# Altium PCB RabbitMask.PcbDoc (part 4 of 5)
Units mm, origin at the board's own origin, x right, y up, seen from the top; angles counter-clockwise.
Board outline 372.49 x 232.54 mm, 2 copper layers (Top Layer, Bottom Layer); 598 components, 1202 nets, 3588 pads, 0 vias.
Unrouted connection lines stored in the file: 1647.

## Components (designator, comment, footprint, x,y, rotation, side; value= is the part's Value field where it differs from the comment) (continued)
U1_149 "HD107s 2020" LED_HD107s-2020#1 367.183,1305.894 r0 top (schematic designator U1)
U1_150 "HD107s 2020" LED_HD107s-2020#1 367.183,1313.894 r0 top (schematic designator U1)
U1_151 "HD107s 2020" LED_HD107s-2020#1 367.183,1321.894 r0 top (schematic designator U1)
U1_152 "HD107s 2020" LED_HD107s-2020#1 367.183,1329.894 r0 top (schematic designator U1)
U1_153 "HD107s 2020" LED_HD107s-2020#1 367.183,1341.894 r0 top (schematic designator U1)
U1_154 "HD107s 2020" LED_HD107s-2020#1 367.183,1349.894 r0 top (schematic designator U1)
U1_155 "HD107s 2020" LED_HD107s-2020#1 367.183,1357.894 r0 top (schematic designator U1)
U1_156 "HD107s 2020" LED_HD107s-2020#1 367.183,1369.894 r0 top (schematic designator U1)
U1_157 "HD107s 2020" LED_HD107s-2020#1 367.183,1377.894 r0 top (schematic designator U1)
U1_158 "HD107s 2020" LED_HD107s-2020#1 367.183,1385.894 r0 top (schematic designator U1)
U1_159 "HD107s 2020" LED_HD107s-2020#1 367.183,1397.894 r0 top (schematic designator U1)
U1_160 "HD107s 2020" LED_HD107s-2020#1 367.183,1405.894 r0 top (schematic designator U1)
U1_161 "HD107s 2020" LED_HD107s-2020#1 367.183,1413.894 r0 top (schematic designator U1)
U1_162 "HD107s 2020" LED_HD107s-2020#1 367.183,1425.894 r0 top (schematic designator U1)
U1_163 "HD107s 2020" LED_HD107s-2020#1 367.183,1433.894 r0 top (schematic designator U1)
U1_164 "HD107s 2020" LED_HD107s-2020#1 367.183,1441.894 r0 top (schematic designator U1)
U1_165 "HD107s 2020" LED_HD107s-2020#1 367.183,1453.894 r0 top (schematic designator U1)
U1_166 "HD107s 2020" LED_HD107s-2020#1 367.183,1461.894 r0 top (schematic designator U1)
U1_167 "HD107s 2020" LED_HD107s-2020#1 367.183,1469.894 r0 top (schematic designator U1)
U1_168 "HD107s 2020" LED_HD107s-2020#1 367.183,1481.894 r0 top (schematic designator U1)
U1_169 "HD107s 2020" LED_HD107s-2020#1 367.183,1489.894 r0 top (schematic designator U1)
U1_170 "HD107s 2020" LED_HD107s-2020#1 367.183,1497.894 r0 top (schematic designator U1)
U1_171 "HD107s 2020" LED_HD107s-2020#1 367.183,1509.894 r0 top (schematic designator U1)
U1_172 "HD107s 2020" LED_HD107s-2020#1 367.183,1517.894 r0 top (schematic designator U1)
U1_173 "HD107s 2020" LED_HD107s-2020#1 367.183,1525.894 r0 top (schematic designator U1)
U1_174 "HD107s 2020" LED_HD107s-2020#1 367.183,1533.894 r0 top (schematic designator U1)
U1_175 "HD107s 2020" LED_HD107s-2020#1 367.183,1545.894 r0 top (schematic designator U1)
U1_176 "HD107s 2020" LED_HD107s-2020#1 367.183,1553.894 r0 top (schematic designator U1)
U1_177 "HD107s 2020" LED_HD107s-2020#1 367.183,1561.894 r0 top (schematic designator U1)
U1_178 "HD107s 2020" LED_HD107s-2020#1 367.183,1573.894 r0 top (schematic designator U1)
U1_179 "HD107s 2020" LED_HD107s-2020#1 367.183,1581.894 r0 top (schematic designator U1)
U1_180 "HD107s 2020" LED_HD107s-2020#1 367.183,1589.894 r0 top (schematic designator U1)
U1_181 "HD107s 2020" LED_HD107s-2020#1 367.183,1601.894 r0 top (schematic designator U1)
U1_182 "HD107s 2020" LED_HD107s-2020#1 367.183,1609.894 r0 top (schematic designator U1)
U1_183 "HD107s 2020" LED_HD107s-2020#1 367.183,1617.894 r0 top (schematic designator U1)
U1_184 "HD107s 2020" LED_HD107s-2020#1 367.183,1629.894 r0 top (schematic designator U1)
U1_185 "HD107s 2020" LED_HD107s-2020#1 367.183,1637.894 r0 top (schematic designator U1)
U1_186 "HD107s 2020" LED_HD107s-2020#1 367.183,1645.894 r0 top (schematic designator U1)
U1_187 "HD107s 2020" LED_HD107s-2020#1 367.183,1657.894 r0 top (schematic designator U1)
U1_188 "HD107s 2020" LED_HD107s-2020#1 367.183,1665.894 r0 top (schematic designator U1)
U1_189 "HD107s 2020" LED_HD107s-2020#1 367.183,1673.894 r0 top (schematic designator U1)
U1_190 "HD107s 2020" LED_HD107s-2020#1 367.183,1685.894 r0 top (schematic designator U1)
U1_191 "HD107s 2020" LED_HD107s-2020#1 367.183,1693.894 r0 top (schematic designator U1)
U1_192 "HD107s 2020" LED_HD107s-2020#1 367.183,1701.894 r0 top (schematic designator U1)
U1_193 "HD107s 2020" LED_HD107s-2020#1 367.183,1713.894 r0 top (schematic designator U1)
U1_194 "HD107s 2020" LED_HD107s-2020#1 367.183,1721.894 r0 top (schematic designator U1)
U1_195 "HD107s 2020" LED_HD107s-2020#1 367.183,1729.894 r0 top (schematic designator U1)
U1_196 "HD107s 2020" LED_HD107s-2020#1 367.183,1737.894 r0 top (schematic designator U1)
U1_197 "HD107s 2020" LED_HD107s-2020#1 367.183,1749.894 r0 top (schematic designator U1)
U1_198 "HD107s 2020" LED_HD107s-2020#1 367.183,1757.894 r0 top (schematic designator U1)
U1_199 "HD107s 2020" LED_HD107s-2020#1 367.183,1765.894 r0 top (schematic designator U1)
U1_200 "HD107s 2020" LED_HD107s-2020#1 367.183,1777.894 r90 top (schematic designator U1)
U1_201 "HD107s 2020" LED_HD107s-2020#1 367.183,1785.894 r0 top (schematic designator U1)
U1_202 "HD107s 2020" LED_HD107s-2020#1 367.183,1793.894 r90 top (schematic designator U1)
U1_203 "HD107s 2020" LED_HD107s-2020#1 367.183,1805.894 r90 top (schematic designator U1)
U1_204 "HD107s 2020" LED_HD107s-2020#1 367.183,1813.894 r90 top (schematic designator U1)
U1_205 "HD107s 2020" LED_HD107s-2020#1 367.183,1821.894 r90 top (schematic designator U1)
U1_206 "HD107s 2020" LED_HD107s-2020#1 367.183,1833.894 r90 top (schematic designator U1)
U1_207 "HD107s 2020" LED_HD107s-2020#1 367.183,1841.894 r90 top (schematic designator U1)
U1_208 "HD107s 2020" LED_HD107s-2020#1 367.183,1849.894 r90 top (schematic designator U1)
U1_209 "HD107s 2020" LED_HD107s-2020#1 367.183,1861.894 r90 top (schematic designator U1)
U1_210 "HD107s 2020" LED_HD107s-2020#1 367.183,1869.894 r0 top (schematic designator U1)
U1_211 "HD107s 2020" LED_HD107s-2020#1 367.183,1877.894 r0 top (schematic designator U1)
U1_212 "HD107s 2020" LED_HD107s-2020#1 367.183,1889.894 r0 top (schematic designator U1)
U1_213 "HD107s 2020" LED_HD107s-2020#1 367.183,1897.894 r0 top (schematic designator U1)
U1_214 "HD107s 2020" LED_HD107s-2020#1 367.183,1905.894 r0 top (schematic designator U1)
U1_215 "HD107s 2020" LED_HD107s-2020#1 367.183,1913.894 r0 top (schematic designator U1)
U1_216 "HD107s 2020" LED_HD107s-2020#1 367.183,1925.894 r0 top (schematic designator U1)
U1_217 "HD107s 2020" LED_HD107s-2020#1 367.183,1933.894 r0 top (schematic designator U1)
U1_218 "HD107s 2020" LED_HD107s-2020#1 367.183,1941.894 r0 top (schematic designator U1)
U1_219 "HD107s 2020" LED_HD107s-2020#1 367.183,1953.894 r0 top (schematic designator U1)
U1_220 "HD107s 2020" LED_HD107s-2020#1 367.183,1961.894 r90 top (schematic designator U1)
U1_221 "HD107s 2020" LED_HD107s-2020#1 367.183,1969.894 r0 top (schematic designator U1)
U1_222 "HD107s 2020" LED_HD107s-2020#1 367.183,1981.894 r90 top (schematic designator U1)
U1_223 "HD107s 2020" LED_HD107s-2020#1 367.183,1989.894 r90 top (schematic designator U1)
U1_224 "HD107s 2020" LED_HD107s-2020#1 367.183,1997.894 r90 top (schematic designator U1)
U1_225 "HD107s 2020" LED_HD107s-2020#1 367.183,2009.894 r90 top (schematic designator U1)
U1_226 "HD107s 2020" LED_HD107s-2020#1 367.183,2017.894 r90 top (schematic designator U1)
U1_227 "HD107s 2020" LED_HD107s-2020#1 367.183,2025.894 r90 top (schematic designator U1)
U1_228 "HD107s 2020" LED_HD107s-2020#1 367.183,2037.894 r90 top (schematic designator U1)
U1_229 "HD107s 2020" LED_HD107s-2020#1 367.183,2045.894 r90 top (schematic designator U1)
U1_230 "HD107s 2020" LED_HD107s-2020#1 367.183,2053.894 r90 top (schematic designator U1)
U1_231 "HD107s 2020" LED_HD107s-2020#1 367.183,2065.894 r0 top (schematic designator U1)
U1_232 "HD107s 2020" LED_HD107s-2020#1 367.183,2073.894 r90 top (schematic designator U1)
U1_233 "HD107s 2020" LED_HD107s-2020#1 367.183,2081.894 r90 top (schematic designator U1)
U1_234 "HD107s 2020" LED_HD107s-2020#1 367.183,2093.894 r90 top (schematic designator U1)
U1_235 "HD107s 2020" LED_HD107s-2020#1 367.183,2101.894 r90 top (schematic designator U1)
U1_236 "HD107s 2020" LED_HD107s-2020#1 367.183,2109.894 r90 top (schematic designator U1)
U1_237 "HD107s 2020" LED_HD107s-2020#1 367.183,2117.894 r90 top (schematic designator U1)
U1_238 "HD107s 2020" LED_HD107s-2020#1 367.183,2129.894 r90 top (schematic designator U1)
U1_239 "HD107s 2020" LED_HD107s-2020#1 367.183,2137.894 r90 top (schematic designator U1)
U1_240 "HD107s 2020" LED_HD107s-2020#1 367.183,2145.894 r90 top (schematic designator U1)
U1_241 "HD107s 2020" LED_HD107s-2020#1 367.183,2157.894 r0 top (schematic designator U1)
U1_242 "HD107s 2020" LED_HD107s-2020#1 367.183,2165.894 r90 top (schematic designator U1)
U1_243 "HD107s 2020" LED_HD107s-2020#1 367.183,2173.894 r90 top (schematic designator U1)
U1_244 "HD107s 2020" LED_HD107s-2020#1 367.183,2185.894 r90 top (schematic designator U1)
U1_245 "HD107s 2020" LED_HD107s-2020#1 367.183,2193.894 r90 top (schematic designator U1)
U1_246 "HD107s 2020" LED_HD107s-2020#1 367.183,2201.894 r90 top (schematic designator U1)
U1_247 "HD107s 2020" LED_HD107s-2020#1 367.183,2213.894 r90 top (schematic designator U1)
U1_248 "HD107s 2020" LED_HD107s-2020#1 367.183,2221.894 r90 top (schematic designator U1)
U1_249 "HD107s 2020" LED_HD107s-2020#1 367.183,2229.894 r90 top (schematic designator U1)
U1_250 "HD107s 2020" LED_HD107s-2020#1 367.183,2241.894 r90 top (schematic designator U1)
U1_251 "HD107s 2020" LED_HD107s-2020#1 367.183,2249.894 r0 top (schematic designator U1)
U1_252 "HD107s 2020" LED_HD107s-2020#1 367.183,2257.894 r90 top (schematic designator U1)
U1_253 "HD107s 2020" LED_HD107s-2020#1 367.183,2269.894 r90 top (schematic designator U1)
U1_254 "HD107s 2020" LED_HD107s-2020#1 367.183,2277.894 r90 top (schematic designator U1)
U1_255 "HD107s 2020" LED_HD107s-2020#1 367.183,2285.894 r90 top (schematic designator U1)
U1_256 "HD107s 2020" LED_HD107s-2020#1 367.183,2297.894 r90 top (schematic designator U1)
U1_257 "HD107s 2020" LED_HD107s-2020#1 367.183,2305.894 r90 top (schematic designator U1)
U1_258 "HD107s 2020" LED_HD107s-2020#1 367.183,2313.894 r90 top (schematic designator U1)
U1_259 "HD107s 2020" LED_HD107s-2020#1 367.183,2321.894 r90 top (schematic designator U1)
U1_260 "HD107s 2020" LED_HD107s-2020#1 367.183,2333.894 r90 top (schematic designator U1)
U1_261 "HD107s 2020" LED_HD107s-2020#1 367.183,2341.869 r0 top (schematic designator U1)
U1_262 "HD107s 2020" LED_HD107s-2020#1 367.183,2341.869 r90 top (schematic designator U1)
U1_263 "HD107s 2020" LED_HD107s-2020#1 367.183,2341.869 r90 top (schematic designator U1)
U1_264 "HD107s 2020" LED_HD107s-2020#1 367.183,2341.869 r90 top (schematic designator U1)
U1_265 "HD107s 2020" LED_HD107s-2020#1 367.183,2341.869 r90 top (schematic designator U1)
U1_266 "HD107s 2020" LED_HD107s-2020#1 367.183,2341.869 r90 top (schematic designator U1)
U1_267 "HD107s 2020" LED_HD107s-2020#1 367.183,2341.869 r90 top (schematic designator U1)
U1_268 "HD107s 2020" LED_HD107s-2020#1 367.183,2341.869 r90 top (schematic designator U1)
U1_269 "HD107s 2020" LED_HD107s-2020#1 367.183,2341.869 r90 top (schematic designator U1)
U1_270 "HD107s 2020" LED_HD107s-2020#1 367.183,2341.869 r90 top (schematic designator U1)
U1_271 "HD107s 2020" LED_HD107s-2020#1 367.183,2341.869 r0 top (schematic designator U1)
U1_272 "HD107s 2020" LED_HD107s-2020#1 367.183,2341.869 r90 top (schematic designator U1)
U1_273 "HD107s 2020" LED_HD107s-2020#1 367.183,2341.869 r90 top (schematic designator U1)
U1_274 "HD107s 2020" LED_HD107s-2020#1 367.183,2341.869 r90 top (schematic designator U1)
U1_275 "HD107s 2020" LED_HD107s-2020#1 367.183,2341.869 r90 top (schematic designator U1)
U1_276 "HD107s 2020" LED_HD107s-2020#1 367.183,2341.869 r90 top (schematic designator U1)
U1_277 "HD107s 2020" LED_HD107s-2020#1 367.183,2341.869 r90 top (schematic designator U1)
U1_278 "HD107s 2020" LED_HD107s-2020#1 367.183,2341.869 r90 top (schematic designator U1)
U1_279 "HD107s 2020" LED_HD107s-2020#1 367.183,2341.869 r90 top (schematic designator U1)
U1_280 "HD107s 2020" LED_HD107s-2020#1 367.183,2341.869 r90 top (schematic designator U1)
U1_281 "HD107s 2020" LED_HD107s-2020#1 367.183,2341.869 r0 top (schematic designator U1)
U1_282 "HD107s 2020" LED_HD107s-2020#1 367.183,2341.869 r90 top (schematic designator U1)
U1_283 "HD107s 2020" LED_HD107s-2020#1 367.183,2341.869 r90 top (schematic designator U1)
U1_284 "HD107s 2020" LED_HD107s-2020#1 367.183,2341.869 r90 top (schematic designator U1)
U1_285 "HD107s 2020" LED_HD107s-2020#1 367.183,2341.869 r90 top (schematic designator U1)
U1_286 "HD107s 2020" LED_HD107s-2020#1 367.183,2341.869 r90 top (schematic designator U1)
U1_287 "HD107s 2020" LED_HD107s-2020#1 367.183,2341.869 r90 top (schematic designator U1)
U1_288 "HD107s 2020" LED_HD107s-2020#1 367.183,2341.869 r90 top (schematic designator U1)
U1_289 "HD107s 2020" LED_HD107s-2020#1 367.183,2341.869 r90 top (schematic designator U1)
U1_290 "HD107s 2020" LED_HD107s-2020#1 367.183,2341.869 r90 top (schematic designator U1)
U1_291 "HD107s 2020" LED_HD107s-2020#1 367.183,2341.869 r0 top (schematic designator U1)
U1_292 "HD107s 2020" LED_HD107s-2020#1 367.183,2341.869 r90 top (schematic designator U1)
U1_293 "HD107s 2020" LED_HD107s-2020#1 367.183,2341.869 r90 top (schematic designator U1)
U1_294 "HD107s 2020" LED_HD107s-2020#1 367.183,2341.869 r90 top (schematic designator U1)
U1_295 "HD107s 2020" LED_HD107s-2020#1 367.183,2341.869 r90 top (schematic designator U1)
U1_296 "HD107s 2020" LED_HD107s-2020#1 367.183,2341.869 r90 top (schematic designator U1)
U1_297 "HD107s 2020" LED_HD107s-2020#1 367.183,2341.869 r90 top (schematic designator U1)
U1_298 "HD107s 2020" LED_HD107s-2020#1 367.183,2341.869 r90 top (schematic designator U1)
U1_299 "HD107s 2020" LED_HD107s-2020#1 367.183,2341.869 r90 top (schematic designator U1)
U2_1 "HD107s 2020" LED_HD107s-2020#1 367.183,2341.869 r0 top (schematic designator U2)
U2_2 "HD107s 2020" LED_HD107s-2020#1 367.183,2341.869 r0 top (schematic designator U2)
U2_3 "HD107s 2020" LED_HD107s-2020#1 367.183,2341.869 r0 top (schematic designator U2)
U2_4 "HD107s 2020" LED_HD107s-2020#1 367.183,2341.869 r0 top (schematic designator U2)
U2_5 "HD107s 2020" LED_HD107s-2020#1 367.183,2341.869 r0 top (schematic designator U2)
U2_6 "HD107s 2020" LED_HD107s-2020#1 367.183,2341.869 r0 top (schematic designator U2)
U2_7 "HD107s 2020" LED_HD107s-2020#1 367.183,2341.869 r0 top (schematic designator U2)
U2_8 "HD107s 2020" LED_HD107s-2020#1 367.183,2341.869 r0 top (schematic designator U2)
U2_9 "HD107s 2020" LED_HD107s-2020#1 367.183,2341.869 r0 top (schematic designator U2)
U2_10 "HD107s 2020" LED_HD107s-2020#1 367.183,2341.869 r0 top (schematic designator U2)
U2_11 "HD107s 2020" LED_HD107s-2020#1 367.183,2341.869 r0 top (schematic designator U2)
U2_12 "HD107s 2020" LED_HD107s-2020#1 367.183,2341.869 r0 top (schematic designator U2)
U2_13 "HD107s 2020" LED_HD107s-2020#1 367.183,2341.869 r0 top (schematic designator U2)
U2_14 "HD107s 2020" LED_HD107s-2020#1 367.183,2341.869 r0 top (schematic designator U2)
U2_15 "HD107s 2020" LED_HD107s-2020#1 367.183,2341.869 r0 top (schematic designator U2)
U2_16 "HD107s 2020" LED_HD107s-2020#1 367.183,2341.869 r0 top (schematic designator U2)
U2_17 "HD107s 2020" LED_HD107s-2020#1 367.183,2341.869 r0 top (schematic designator U2)
U2_18 "HD107s 2020" LED_HD107s-2020#1 367.183,2341.869 r0 top (schematic designator U2)
U2_19 "HD107s 2020" LED_HD107s-2020#1 367.183,2341.869 r0 top (schematic designator U2)
U2_20 "HD107s 2020" LED_HD107s-2020#1 367.183,2341.869 r0 top (schematic designator U2)
U2_21 "HD107s 2020" LED_HD107s-2020#1 367.183,2341.869 r0 top (schematic designator U2)
U2_22 "HD107s 2020" LED_HD107s-2020#1 367.183,2341.869 r0 top (schematic designator U2)
U2_23 "HD107s 2020" LED_HD107s-2020#1 367.183,2341.869 r0 top (schematic designator U2)
U2_24 "HD107s 2020" LED_HD107s-2020#1 367.183,2341.869 r0 top (schematic designator U2)
U2_25 "HD107s 2020" LED_HD107s-2020#1 367.183,2341.869 r0 top (schematic designator U2)
U2_26 "HD107s 2020" LED_HD107s-2020#1 367.183,2341.869 r0 top (schematic designator U2)
U2_27 "HD107s 2020" LED_HD107s-2020#1 367.183,2341.869 r0 top (schematic designator U2)
U2_28 "HD107s 2020" LED_HD107s-2020#1 367.183,2341.869 r0 top (schematic designator U2)
U2_29 "HD107s 2020" LED_HD107s-2020#1 367.183,2341.869 r0 top (schematic designator U2)
U2_30 "HD107s 2020" LED_HD107s-2020#1 367.183,2341.869 r0 top (schematic designator U2)
U2_31 "HD107s 2020" LED_HD107s-2020#1 367.183,2341.869 r0 top (schematic designator U2)
U2_32 "HD107s 2020" LED_HD107s-2020#1 367.183,2341.869 r0 top (schematic designator U2)
U2_33 "HD107s 2020" LED_HD107s-2020#1 367.183,2341.869 r0 top (schematic designator U2)
U2_34 "HD107s 2020" LED_HD107s-2020#1 367.183,2341.869 r0 top (schematic designator U2)
U2_35 "HD107s 2020" LED_HD107s-2020#1 367.183,2341.869 r0 top (schematic designator U2)
U2_36 "HD107s 2020" LED_HD107s-2020#1 367.183,2341.869 r0 top (schematic designator U2)
U2_37 "HD107s 2020" LED_HD107s-2020#1 367.183,2341.869 r0 top (schematic designator U2)
U2_38 "HD107s 2020" LED_HD107s-2020#1 367.183,2341.869 r0 top (schematic designator U2)
U2_39 "HD107s 2020" LED_HD107s-2020#1 367.183,2341.869 r0 top (schematic designator U2)
U2_40 "HD107s 2020" LED_HD107s-2020#1 367.183,2341.869 r0 top (schematic designator U2)
U2_41 "HD107s 2020" LED_HD107s-2020#1 367.183,2341.869 r0 top (schematic designator U2)
U2_42 "HD107s 2020" LED_HD107s-2020#1 367.183,2341.869 r0 top (schematic designator U2)
U2_43 "HD107s 2020" LED_HD107s-2020#1 367.183,2341.869 r0 top (schematic designator U2)
U2_44 "HD107s 2020" LED_HD107s-2020#1 367.183,2341.869 r0 top (schematic designator U2)
U2_45 "HD107s 2020" LED_HD107s-2020#1 367.183,2341.869 r0 top (schematic designator U2)
U2_46 "HD107s 2020" LED_HD107s-2020#1 367.183,2341.869 r0 top (schematic designator U2)
U2_47 "HD107s 2020" LED_HD107s-2020#1 367.183,2341.869 r0 top (schematic designator U2)
U2_48 "HD107s 2020" LED_HD107s-2020#1 367.183,2341.869 r0 top (schematic designator U2)
U2_49 "HD107s 2020" LED_HD107s-2020#1 367.183,2341.869 r0 top (schematic designator U2)
U2_50 "HD107s 2020" LED_HD107s-2020#1 367.183,2341.869 r0 top (schematic designator U2)
U2_51 "HD107s 2020" LED_HD107s-2020#1 367.183,2341.869 r0 top (schematic designator U2)
U2_52 "HD107s 2020" LED_HD107s-2020#1 367.183,2341.869 r0 top (schematic designator U2)
U2_53 "HD107s 2020" LED_HD107s-2020#1 367.183,2341.869 r0 top (schematic designator U2)
U2_54 "HD107s 2020" LED_HD107s-2020#1 367.183,2341.869 r0 top (schematic designator U2)
U2_55 "HD107s 2020" LED_HD107s-2020#1 367.183,2341.869 r0 top (schematic designator U2)
U2_56 "HD107s 2020" LED_HD107s-2020#1 367.183,2341.869 r0 top (schematic designator U2)
U2_57 "HD107s 2020" LED_HD107s-2020#1 367.183,2341.869 r0 top (schematic designator U2)
U2_58 "HD107s 2020" LED_HD107s-2020#1 367.183,2341.869 r0 top (schematic designator U2)
U2_59 "HD107s 2020" LED_HD107s-2020#1 367.183,2341.869 r0 top (schematic designator U2)
U2_60 "HD107s 2020" LED_HD107s-2020#1 367.183,2341.869 r0 top (schematic designator U2)
U2_61 "HD107s 2020" LED_HD107s-2020#1 367.183,2341.869 r0 top (schematic designator U2)
U2_62 "HD107s 2020" LED_HD107s-2020#1 367.183,2341.869 r0 top (schematic designator U2)
U2_63 "HD107s 2020" LED_HD107s-2020#1 367.183,2341.869 r0 top (schematic designator U2)
U2_64 "HD107s 2020" LED_HD107s-2020#1 367.183,2341.869 r0 top (schematic designator U2)
U2_65 "HD107s 2020" LED_HD107s-2020#1 367.183,2341.869 r0 top (schematic designator U2)
U2_66 "HD107s 2020" LED_HD107s-2020#1 367.183,2341.869 r0 top (schematic designator U2)
U2_67 "HD107s 2020" LED_HD107s-2020#1 367.183,2341.869 r0 top (schematic designator U2)
U2_68 "HD107s 2020" LED_HD107s-2020#1 367.183,2341.869 r0 top (schematic designator U2)
U2_69 "HD107s 2020" LED_HD107s-2020#1 367.183,2341.869 r0 top (schematic designator U2)
U2_70 "HD107s 2020" LED_HD107s-2020#1 367.183,2341.869 r0 top (schematic designator U2)
U2_71 "HD107s 2020" LED_HD107s-2020#1 367.183,2341.869 r0 top (schematic designator U2)
U2_72 "HD107s 2020" LED_HD107s-2020#1 367.183,2341.869 r0 top (schematic designator U2)
U2_73 "HD107s 2020" LED_HD107s-2020#1 367.183,2341.869 r0 top (schematic designator U2)
U2_74 "HD107s 2020" LED_HD107s-2020#1 367.183,2341.869 r0 top (schematic designator U2)
U2_75 "HD107s 2020" LED_HD107s-2020#1 367.183,2341.869 r0 top (schematic designator U2)
U2_76 "HD107s 2020" LED_HD107s-2020#1 367.183,2341.869 r0 top (schematic designator U2)
U2_77 "HD107s 2020" LED_HD107s-2020#1 367.183,2341.869 r0 top (schematic designator U2)
U2_78 "HD107s 2020" LED_HD107s-2020#1 367.183,2341.869 r0 top (schematic designator U2)
U2_79 "HD107s 2020" LED_HD107s-2020#1 367.183,2341.869 r0 top (schematic designator U2)
U2_80 "HD107s 2020" LED_HD107s-2020#1 367.183,2341.869 r0 top (schematic designator U2)
U2_81 "HD107s 2020" LED_HD107s-2020#1 367.183,2341.869 r0 top (schematic designator U2)
U2_82 "HD107s 2020" LED_HD107s-2020#1 367.183,2341.869 r0 top (schematic designator U2)
U2_83 "HD107s 2020" LED_HD107s-2020#1 367.183,2341.869 r0 top (schematic designator U2)
U2_84 "HD107s 2020" LED_HD107s-2020#1 367.183,2341.869 r0 top (schematic designator U2)
U2_85 "HD107s 2020" LED_HD107s-2020#1 367.183,2341.869 r0 top (schematic designator U2)
U2_86 "HD107s 2020" LED_HD107s-2020#1 367.183,2341.869 r0 top (schematic designator U2)
U2_87 "HD107s 2020" LED_HD107s-2020#1 367.183,2341.869 r0 top (schematic designator U2)
U2_88 "HD107s 2020" LED_HD107s-2020#1 367.183,2341.869 r0 top (schematic designator U2)
U2_89 "HD107s 2020" LED_HD107s-2020#1 367.183,2341.869 r0 top (schematic designator U2)
U2_90 "HD107s 2020" LED_HD107s-2020#1 367.183,2341.869 r0 top (schematic designator U2)
U2_91 "HD107s 2020" LED_HD107s-2020#1 367.183,2341.869 r0 top (schematic designator U2)
U2_92 "HD107s 2020" LED_HD107s-2020#1 367.183,2341.869 r0 top (schematic designator U2)
U2_93 "HD107s 2020" LED_HD107s-2020#1 367.183,2341.869 r0 top (schematic designator U2)
U2_94 "HD107s 2020" LED_HD107s-2020#1 367.183,2341.869 r0 top (schematic designator U2)
U2_95 "HD107s 2020" LED_HD107s-2020#1 367.183,2341.869 r0 top (schematic designator U2)
U2_96 "HD107s 2020" LED_HD107s-2020#1 367.183,2341.869 r0 top (schematic designator U2)
U2_97 "HD107s 2020" LED_HD107s-2020#1 367.183,2341.869 r0 top (schematic designator U2)
U2_98 "HD107s 2020" LED_HD107s-2020#1 367.183,2341.869 r0 top (schematic designator U2)
U2_99 "HD107s 2020" LED_HD107s-2020#1 367.183,2341.869 r0 top (schematic designator U2)
U2_100 "HD107s 2020" LED_HD107s-2020#1 367.183,2341.869 r90 top (schematic designator U2)
U2_101 "HD107s 2020" LED_HD107s-2020#1 367.183,2341.869 r0 top (schematic designator U2)
U2_102 "HD107s 2020" LED_HD107s-2020#1 367.183,2341.869 r90 top (schematic designator U2)
U2_103 "HD107s 2020" LED_HD107s-2020#1 367.183,2341.869 r90 top (schematic designator U2)
U2_104 "HD107s 2020" LED_HD107s-2020#1 367.183,2341.869 r90 top (schematic designator U2)
U2_105 "HD107s 2020" LED_HD107s-2020#1 367.183,2341.869 r90 top (schematic designator U2)
U2_106 "HD107s 2020" LED_HD107s-2020#1 367.183,2341.869 r90 top (schematic designator U2)
U2_107 "HD107s 2020" LED_HD107s-2020#1 367.183,2341.869 r90 top (schematic designator U2)
U2_108 "HD107s 2020" LED_HD107s-2020#1 367.183,2341.869 r90 top (schematic designator U2)
U2_109 "HD107s 2020" LED_HD107s-2020#1 367.183,2341.869 r90 top (schematic designator U2)
U2_110 "HD107s 2020" LED_HD107s-2020#1 367.183,2341.869 r0 top (schematic designator U2)
U2_111 "HD107s 2020" LED_HD107s-2020#1 367.183,2341.869 r0 top (schematic designator U2)
U2_112 "HD107s 2020" LED_HD107s-2020#1 367.183,2341.869 r0 top (schematic designator U2)
U2_113 "HD107s 2020" LED_HD107s-2020#1 367.183,2341.869 r0 top (schematic designator U2)
U2_114 "HD107s 2020" LED_HD107s-2020#1 367.183,2341.869 r0 top (schematic designator U2)
U2_115 "HD107s 2020" LED_HD107s-2020#1 367.183,2341.869 r0 top (schematic designator U2)
U2_116 "HD107s 2020" LED_HD107s-2020#1 367.183,2341.869 r0 top (schematic designator U2)
U2_117 "HD107s 2020" LED_HD107s-2020#1 367.183,2341.869 r0 top (schematic designator U2)
U2_118 "HD107s 2020" LED_HD107s-2020#1 367.183,2341.869 r0 top (schematic designator U2)
U2_119 "HD107s 2020" LED_HD107s-2020#1 367.183,2341.869 r0 top (schematic designator U2)
U2_120 "HD107s 2020" LED_HD107s-2020#1 367.183,2341.869 r90 top (schematic designator U2)
U2_121 "HD107s 2020" LED_HD107s-2020#1 367.183,2341.869 r0 top (schematic designator U2)
U2_122 "HD107s 2020" LED_HD107s-2020#1 367.183,2341.869 r90 top (schematic designator U2)
U2_123 "HD107s 2020" LED_HD107s-2020#1 367.183,2341.869 r90 top (schematic designator U2)
U2_124 "HD107s 2020" LED_HD107s-2020#1 367.183,2341.869 r90 top (schematic designator U2)
U2_125 "HD107s 2020" LED_HD107s-2020#1 367.183,2341.869 r90 top (schematic designator U2)
U2_126 "HD107s 2020" LED_HD107s-2020#1 367.183,2341.869 r90 top (schematic designator U2)
U2_127 "HD107s 2020" LED_HD107s-2020#1 367.183,2341.869 r90 top (schematic designator U2)
U2_128 "HD107s 2020" LED_HD107s-2020#1 367.183,2341.869 r90 top (schematic designator U2)
U2_129 "HD107s 2020" LED_HD107s-2020#1 367.183,2341.869 r90 top (schematic designator U2)
U2_130 "HD107s 2020" LED_HD107s-2020#1 367.183,2341.869 r90 top (schematic designator U2)
U2_131 "HD107s 2020" LED_HD107s-2020#1 367.183,2341.869 r0 top (schematic designator U2)
U2_132 "HD107s 2020" LED_HD107s-2020#1 367.183,2341.869 r90 top (schematic designator U2)
U2_133 "HD107s 2020" LED_HD107s-2020#1 367.183,2341.869 r90 top (schematic designator U2)
U2_134 "HD107s 2020" LED_HD107s-2020#1 367.183,2341.869 r90 top (schematic designator U2)
U2_135 "HD107s 2020" LED_HD107s-2020#1 367.183,2341.869 r90 top (schematic designator U2)
U2_136 "HD107s 2020" LED_HD107s-2020#1 367.183,2341.869 r90 top (schematic designator U2)
U2_137 "HD107s 2020" LED_HD107s-2020#1 367.183,2341.869 r90 top (schematic designator U2)
U2_138 "HD107s 2020" LED_HD107s-2020#1 367.183,2341.869 r90 top (schematic designator U2)
U2_139 "HD107s 2020" LED_HD107s-2020#1 367.183,2341.869 r90 top (schematic designator U2)
U2_140 "HD107s 2020" LED_HD107s-2020#1 367.183,2341.869 r90 top (schematic designator U2)
U2_141 "HD107s 2020" LED_HD107s-2020#1 367.183,2341.869 r0 top (schematic designator U2)
U2_142 "HD107s 2020" LED_HD107s-2020#1 367.183,2341.869 r90 top (schematic designator U2)
U2_143 "HD107s 2020" LED_HD107s-2020#1 367.183,2341.869 r90 top (schematic designator U2)
U2_144 "HD107s 2020" LED_HD107s-2020#1 367.183,2341.869 r90 top (schematic designator U2)
U2_145 "HD107s 2020" LED_HD107s-2020#1 367.183,2341.869 r90 top (schematic designator U2)
U2_146 "HD107s 2020" LED_HD107s-2020#1 367.183,2341.869 r90 top (schematic designator U2)
U2_147 "HD107s 2020" LED_HD107s-2020#1 367.183,2341.869 r90 top (schematic designator U2)
U2_148 "HD107s 2020" LED_HD107s-2020#1 367.183,2341.869 r90 top (schematic designator U2)
U2_149 "HD107s 2020" LED_HD107s-2020#1 367.183,2341.869 r90 top (schematic designator U2)
U2_150 "HD107s 2020" LED_HD107s-2020#1 367.183,2341.869 r90 top (schematic designator U2)
U2_151 "HD107s 2020" LED_HD107s-2020#1 367.183,2341.869 r0 top (schematic designator U2)
U2_152 "HD107s 2020" LED_HD107s-2020#1 367.183,2341.869 r90 top (schematic designator U2)
U2_153 "HD107s 2020" LED_HD107s-2020#1 367.183,2341.869 r90 top (schematic designator U2)
U2_154 "HD107s 2020" LED_HD107s-2020#1 367.183,2341.869 r90 top (schematic designator U2)
U2_155 "HD107s 2020" LED_HD107s-2020#1 367.183,2341.869 r90 top (schematic designator U2)
U2_156 "HD107s 2020" LED_HD107s-2020#1 367.183,2341.869 r90 top (schematic designator U2)
U2_157 "HD107s 2020" LED_HD107s-2020#1 367.183,2341.869 r90 top (schematic designator U2)
U2_158 "HD107s 2020" LED_HD107s-2020#1 367.183,2341.869 r90 top (schematic designator U2)
U2_159 "HD107s 2020" LED_HD107s-2020#1 367.183,2341.869 r90 top (schematic designator U2)
U2_160 "HD107s 2020" LED_HD107s-2020#1 367.183,2341.869 r90 top (schematic designator U2)
U2_161 "HD107s 2020" LED_HD107s-2020#1 367.183,2341.869 r0 top (schematic designator U2)
U2_162 "HD107s 2020" LED_HD107s-2020#1 367.183,2341.869 r90 top (schematic designator U2)
U2_163 "HD107s 2020" LED_HD107s-2020#1 367.183,2341.869 r90 top (schematic designator U2)
U2_164 "HD107s 2020" LED_HD107s-2020#1 367.183,2341.869 r90 top (schematic designator U2)
U2_165 "HD107s 2020" LED_HD107s-2020#1 367.183,2341.869 r90 top (schematic designator U2)
U2_166 "HD107s 2020" LED_HD107s-2020#1 367.183,2341.869 r90 top (schematic designator U2)
U2_167 "HD107s 2020" LED_HD107s-2020#1 367.183,2341.869 r90 top (schematic designator U2)
U2_168 "HD107s 2020" LED_HD107s-2020#1 367.183,2341.869 r90 top (schematic designator U2)
U2_169 "HD107s 2020" LED_HD107s-2020#1 367.183,2341.869 r90 top (schematic designator U2)
U2_170 "HD107s 2020" LED_HD107s-2020#1 367.183,2341.869 r90 top (schematic designator U2)
U2_171 "HD107s 2020" LED_HD107s-2020#1 367.183,2341.869 r0 top (schematic designator U2)
U2_172 "HD107s 2020" LED_HD107s-2020#1 367.183,2341.869 r90 top (schematic designator U2)
U2_173 "HD107s 2020" LED_HD107s-2020#1 367.183,2341.869 r90 top (schematic designator U2)
U2_174 "HD107s 2020" LED_HD107s-2020#1 367.183,2341.869 r90 top (schematic designator U2)
U2_175 "HD107s 2020" LED_HD107s-2020#1 367.183,2341.869 r90 top (schematic designator U2)
U2_176 "HD107s 2020" LED_HD107s-2020#1 367.183,2341.869 r90 top (schematic designator U2)
U2_177 "HD107s 2020" LED_HD107s-2020#1 367.183,2341.869 r90 top (schematic designator U2)
U2_178 "HD107s 2020" LED_HD107s-2020#1 367.183,2341.869 r90 top (schematic designator U2)
U2_179 "HD107s 2020" LED_HD107s-2020#1 367.183,2341.869 r90 top (schematic designator U2)
U2_180 "HD107s 2020" LED_HD107s-2020#1 367.183,2341.869 r90 top (schematic designator U2)
U2_181 "HD107s 2020" LED_HD107s-2020#1 367.183,2341.869 r0 top (schematic designator U2)
U2_182 "HD107s 2020" LED_HD107s-2020#1 367.183,2341.869 r90 top (schematic designator U2)
U2_183 "HD107s 2020" LED_HD107s-2020#1 367.183,2341.869 r90 top (schematic designator U2)
U2_184 "HD107s 2020" LED_HD107s-2020#1 367.183,2341.869 r90 top (schematic designator U2)
U2_185 "HD107s 2020" LED_HD107s-2020#1 367.183,2341.869 r90 top (schematic designator U2)
U2_186 "HD107s 2020" LED_HD107s-2020#1 367.183,2341.869 r90 top (schematic designator U2)
U2_187 "HD107s 2020" LED_HD107s-2020#1 367.183,2341.869 r90 top (schematic designator U2)
U2_188 "HD107s 2020" LED_HD107s-2020#1 367.183,2341.869 r90 top (schematic designator U2)
U2_189 "HD107s 2020" LED_HD107s-2020#1 367.183,2341.869 r90 top (schematic designator U2)
U2_190 "HD107s 2020" LED_HD107s-2020#1 367.183,2341.869 r90 top (schematic designator U2)
U2_191 "HD107s 2020" LED_HD107s-2020#1 367.183,2341.869 r0 top (schematic designator U2)
U2_192 "HD107s 2020" LED_HD107s-2020#1 367.183,2341.869 r90 top (schematic designator U2)
U2_193 "HD107s 2020" LED_HD107s-2020#1 367.183,2341.869 r90 top (schematic designator U2)
U2_194 "HD107s 2020" LED_HD107s-2020#1 367.183,2341.869 r90 top (schematic designator U2)
U2_195 "HD107s 2020" LED_HD107s-2020#1 367.183,2341.869 r90 top (schematic designator U2)
U2_196 "HD107s 2020" LED_HD107s-2020#1 367.183,2341.869 r90 top (schematic designator U2)
U2_197 "HD107s 2020" LED_HD107s-2020#1 367.183,2341.869 r90 top (schematic designator U2)
U2_198 "HD107s 2020" LED_HD107s-2020#1 367.183,2341.869 r90 top (schematic designator U2)
U2_199 "HD107s 2020" LED_HD107s-2020#1 367.183,2341.869 r90 top (schematic designator U2)
U2_200 "HD107s 2020" LED_HD107s-2020#1 367.183,2341.869 r90 top (schematic designator U2)
U2_201 "HD107s 2020" LED_HD107s-2020#1 367.183,2341.869 r0 top (schematic designator U2)
U2_202 "HD107s 2020" LED_HD107s-2020#1 367.183,2341.869 r90 top (schematic designator U2)
U2_203 "HD107s 2020" LED_HD107s-2020#1 367.183,2341.869 r90 top (schematic designator U2)
U2_204 "HD107s 2020" LED_HD107s-2020#1 367.183,2341.869 r90 top (schematic designator U2)
U2_205 "HD107s 2020" LED_HD107s-2020#1 367.183,2341.869 r90 top (schematic designator U2)
U2_206 "HD107s 2020" LED_HD107s-2020#1 367.183,2341.869 r90 top (schematic designator U2)
U2_207 "HD107s 2020" LED_HD107s-2020#1 367.183,2341.869 r90 top (schematic designator U2)
U2_208 "HD107s 2020" LED_HD107s-2020#1 367.183,2341.869 r90 top (schematic designator U2)
U2_209 "HD107s 2020" LED_HD107s-2020#1 367.183,2341.869 r90 top (schematic designator U2)
U2_210 "HD107s 2020" LED_HD107s-2020#1 367.183,2341.869 r90 top (schematic designator U2)
U2_211 "HD107s 2020" LED_HD107s-2020#1 367.183,2341.869 r0 top (schematic designator U2)
U2_212 "HD107s 2020" LED_HD107s-2020#1 367.183,2341.869 r90 top (schematic designator U2)
U2_213 "HD107s 2020" LED_HD107s-2020#1 367.183,2341.869 r90 top (schematic designator U2)
U2_214 "HD107s 2020" LED_HD107s-2020#1 367.183,2341.869 r90 top (schematic designator U2)
U2_215 "HD107s 2020" LED_HD107s-2020#1 367.183,2341.869 r90 top (schematic designator U2)
U2_216 "HD107s 2020" LED_HD107s-2020#1 367.183,2341.869 r90 top (schematic designator U2)
U2_217 "HD107s 2020" LED_HD107s-2020#1 367.183,2341.869 r90 top (schematic designator U2)
U2_218 "HD107s 2020" LED_HD107s-2020#1 367.183,2341.869 r90 top (schematic designator U2)
U2_219 "HD107s 2020" LED_HD107s-2020#1 367.183,2341.869 r90 top (schematic designator U2)
U2_220 "HD107s 2020" LED_HD107s-2020#1 367.183,2341.869 r90 top (schematic designator U2)
U2_221 "HD107s 2020" LED_HD107s-2020#1 367.183,2341.869 r0 top (schematic designator U2)
U2_222 "HD107s 2020" LED_HD107s-2020#1 367.183,2341.869 r90 top (schematic designator U2)
U2_223 "HD107s 2020" LED_HD107s-2020#1 367.183,2341.869 r90 top (schematic designator U2)
U2_224 "HD107s 2020" LED_HD107s-2020#1 367.183,2341.869 r90 top (schematic designator U2)
U2_225 "HD107s 2020" LED_HD107s-2020#1 367.183,2341.869 r90 top (schematic designator U2)
U2_226 "HD107s 2020" LED_HD107s-2020#1 367.183,2341.869 r90 top (schematic designator U2)
U2_227 "HD107s 2020" LED_HD107s-2020#1 367.183,2341.869 r90 top (schematic designator U2)
U2_228 "HD107s 2020" LED_HD107s-2020#1 367.183,2341.869 r90 top (schematic designator U2)
U2_229 "HD107s 2020" LED_HD107s-2020#1 367.183,2341.869 r90 top (schematic designator U2)
U2_230 "HD107s 2020" LED_HD107s-2020#1 367.183,2341.869 r90 top (schematic designator U2)
U2_231 "HD107s 2020" LED_HD107s-2020#1 367.183,2341.869 r0 top (schematic designator U2)
U2_232 "HD107s 2020" LED_HD107s-2020#1 367.183,2341.869 r90 top (schematic designator U2)
U2_233 "HD107s 2020" LED_HD107s-2020#1 367.183,2341.869 r90 top (schematic designator U2)
U2_234 "HD107s 2020" LED_HD107s-2020#1 367.183,2341.869 r90 top (schematic designator U2)
U2_235 "HD107s 2020" LED_HD107s-2020#1 367.183,2341.869 r90 top (schematic designator U2)
U2_236 "HD107s 2020" LED_HD107s-2020#1 367.183,2341.869 r90 top (schematic designator U2)
U2_237 "HD107s 2020" LED_HD107s-2020#1 367.183,2341.869 r90 top (schematic designator U2)
U2_238 "HD107s 2020" LED_HD107s-2020#1 367.183,2341.869 r90 top (schematic designator U2)
U2_239 "HD107s 2020" LED_HD107s-2020#1 367.183,2341.869 r90 top (schematic designator U2)
U2_240 "HD107s 2020" LED_HD107s-2020#1 367.183,2341.869 r90 top (schematic designator U2)
U2_241 "HD107s 2020" LED_HD107s-2020#1 367.183,2341.869 r0 top (schematic designator U2)
U2_242 "HD107s 2020" LED_HD107s-2020#1 367.183,2341.869 r90 top (schematic designator U2)
U2_243 "HD107s 2020" LED_HD107s-2020#1 367.183,2341.869 r90 top (schematic designator U2)
U2_244 "HD107s 2020" LED_HD107s-2020#1 367.183,2341.869 r90 top (schematic designator U2)
U2_245 "HD107s 2020" LED_HD107s-2020#1 367.183,2341.869 r90 top (schematic designator U2)
U2_246 "HD107s 2020" LED_HD107s-2020#1 367.183,2341.869 r90 top (schematic designator U2)
U2_247 "HD107s 2020" LED_HD107s-2020#1 367.183,2341.869 r90 top (schematic designator U2)
U2_248 "HD107s 2020" LED_HD107s-2020#1 367.183,2341.869 r90 top (schematic designator U2)
U2_249 "HD107s 2020" LED_HD107s-2020#1 367.183,2341.869 r90 top (schematic designator U2)
U2_250 "HD107s 2020" LED_HD107s-2020#1 367.183,2341.869 r90 top (schematic designator U2)
U2_251 "HD107s 2020" LED_HD107s-2020#1 367.183,2341.869 r0 top (schematic designator U2)
U2_252 "HD107s 2020" LED_HD107s-2020#1 367.183,2341.869 r90 top (schematic designator U2)
U2_253 "HD107s 2020" LED_HD107s-2020#1 367.183,2341.869 r90 top (schematic designator U2)
U2_254 "HD107s 2020" LED_HD107s-2020#1 367.183,2341.869 r90 top (schematic designator U2)
U2_255 "HD107s 2020" LED_HD107s-2020#1 367.183,2341.869 r90 top (schematic designator U2)
U2_256 "HD107s 2020" LED_HD107s-2020#1 367.183,2341.869 r90 top (schematic designator U2)
U2_257 "HD107s 2020" LED_HD107s-2020#1 367.183,2341.869 r90 top (schematic designator U2)
U2_258 "HD107s 2020" LED_HD107s-2020#1 367.183,2341.869 r90 top (schematic designator U2)
U2_259 "HD107s 2020" LED_HD107s-2020#1 367.183,2341.869 r90 top (schematic designator U2)
U2_260 "HD107s 2020" LED_HD107s-2020#1 367.183,2341.869 r90 top (schematic designator U2)
U2_261 "HD107s 2020" LED_HD107s-2020#1 367.183,2341.869 r0 top (schematic designator U2)
U2_262 "HD107s 2020" LED_HD107s-2020#1 367.183,2341.869 r90 top (schematic designator U2)
U2_263 "HD107s 2020" LED_HD107s-2020#1 367.183,2341.869 r90 top (schematic designator U2)
U2_264 "HD107s 2020" LED_HD107s-2020#1 367.183,2341.869 r90 top (schematic designator U2)
U2_265 "HD107s 2020" LED_HD107s-2020#1 367.183,2341.869 r90 top (schematic designator U2)
U2_266 "HD107s 2020" LED_HD107s-2020#1 367.183,2341.869 r90 top (schematic designator U2)
U2_267 "HD107s 2020" LED_HD107s-2020#1 367.183,2341.869 r90 top (schematic designator U2)
U2_268 "HD107s 2020" LED_HD107s-2020#1 367.183,2341.869 r90 top (schematic designator U2)
U2_269 "HD107s 2020" LED_HD107s-2020#1 367.183,2341.869 r90 top (schematic designator U2)
U2_270 "HD107s 2020" LED_HD107s-2020#1 367.183,2341.869 r90 top (schematic designator U2)
U2_271 "HD107s 2020" LED_HD107s-2020#1 367.183,2341.869 r0 top (schematic designator U2)
U2_272 "HD107s 2020" LED_HD107s-2020#1 367.183,2341.869 r90 top (schematic designator U2)
U2_273 "HD107s 2020" LED_HD107s-2020#1 367.183,2341.869 r90 top (schematic designator U2)
U2_274 "HD107s 2020" LED_HD107s-2020#1 367.183,2341.869 r90 top (schematic designator U2)
U2_275 "HD107s 2020" LED_HD107s-2020#1 367.183,2341.869 r90 top (schematic designator U2)
U2_276 "HD107s 2020" LED_HD107s-2020#1 367.183,2341.869 r90 top (schematic designator U2)
U2_277 "HD107s 2020" LED_HD107s-2020#2 367.183,-2738.081 r90 top (schematic designator U2)
U2_278 "HD107s 2020" LED_HD107s-2020#2 367.183,-2738.081 r90 top (schematic designator U2)
U2_279 "HD107s 2020" LED_HD107s-2020#2 367.183,-2738.081 r90 top (schematic designator U2)
U2_280 "HD107s 2020" LED_HD107s-2020#2 367.183,-2738.081 r90 top (schematic designator U2)
U2_281 "HD107s 2020" LED_HD107s-2020#2 367.183,-2738.081 r0 top (schematic designator U2)
U2_282 "HD107s 2020" LED_HD107s-2020#2 367.183,-2738.081 r90 top (schematic designator U2)
U2_283 "HD107s 2020" LED_HD107s-2020#2 367.183,-2738.081 r90 top (schematic designator U2)
U2_284 "HD107s 2020" LED_HD107s-2020#2 367.183,-2738.081 r90 top (schematic designator U2)
U2_285 "HD107s 2020" LED_HD107s-2020#2 367.183,-2738.081 r90 top (schematic designator U2)
U2_286 "HD107s 2020" LED_HD107s-2020#2 367.183,-2738.081 r90 top (schematic designator U2)
U2_287 "HD107s 2020" LED_HD107s-2020#2 367.183,-2738.081 r90 top (schematic designator U2)
U2_288 "HD107s 2020" LED_HD107s-2020#2 367.183,-2738.081 r90 top (schematic designator U2)
U2_289 "HD107s 2020" LED_HD107s-2020#2 367.183,-2738.081 r90 top (schematic designator U2)
U2_290 "HD107s 2020" LED_HD107s-2020#2 367.183,-2738.081 r90 top (schematic designator U2)
U2_291 "HD107s 2020" LED_HD107s-2020#2 367.183,-2738.081 r0 top (schematic designator U2)
U2_292 "HD107s 2020" LED_HD107s-2020#2 367.183,-2738.081 r90 top (schematic designator U2)
U2_293 "HD107s 2020" LED_HD107s-2020#2 367.183,-2738.081 r90 top (schematic designator U2)
U2_294 "HD107s 2020" LED_HD107s-2020#2 367.183,-2738.081 r90 top (schematic designator U2)
U2_295 "HD107s 2020" LED_HD107s-2020#2 367.183,-2738.081 r90 top (schematic designator U2)
U2_296 "HD107s 2020" LED_HD107s-2020#2 367.183,-2738.081 r90 top (schematic designator U2)
U2_297 "HD107s 2020" LED_HD107s-2020#2 367.183,-2738.081 r90 top (schematic designator U2)
U2_298 "HD107s 2020" LED_HD107s-2020#2 367.183,-2738.081 r90 top (schematic designator U2)
U2_299 "HD107s 2020" LED_HD107s-2020#2 367.183,-2738.081 r90 top (schematic designator U2)

## Footprints (in the part's own frame and the unit in brackets; to place one, negate y for a bottom-side part, rotate by r counter-clockwise, add the part's x,y. Pads: shape width x height; smd on the part's side, far side on the other; paste and mask are expansions set on the pad)
LED_HD107s-2020#1 [mm]
  rect 0.55x0.35 smd: 1(-0.75,0.85) 2(-0.75,0) 3(-0.75,-0.85) 4(0.75,-0.85) 5(0.75,0) 6(0.75,0.85)
  body extent -1,-1 1,1, height 0.9
LED_HD107s-2020#2 [mm]
  rect 0.65x0.45 smd: 1(-0.8,0.9) 2(-0.8,0) 3(-0.8,-0.9) 4(0.8,-0.9) 5(0.8,0) 6(0.8,0.9)
  body extent -1,-1 1,1, height 0.9

## Part data
U1_1 U1_2 U1_3 U1_4 U1_5 U1_6 U1_7 U1_8 U1_9 U1_10 U1_11 U1_12 U1_13 U1_14 U1_15 U1_16 U1_17 U1_18 U1_19 U1_20 U1_21 U1_22 U1_23 U1_24 U1_25 U1_26 U1_27 U1_28 U1_29 U1_30 U1_31 U1_32 U1_33 U1_34 U1_35 U1_36 U1_37 U1_38 U1_39 U1_40 U1_41 U1_42 U1_43 U1_44 U1_45 U1_46 U1_47 U1_48 U1_49 U1_50 U1_51 U1_52 U1_53 U1_54 U1_55 U1_56 U1_57 U1_58 U1_59 U1_60 U1_61 U1_62 U1_63 U1_64 U1_65 U1_66 U1_67 U1_68 U1_69 U1_70 U1_71 U1_72 U1_73 U1_74 U1_75 U1_76 U1_77 U1_78 U1_79 U1_80 U1_81 U1_82 U1_83 U1_84 U1_85 U1_86 U1_87 U1_88 U1_89 U1_90 U1_91 U1_92 U1_93 U1_94 U1_95 U1_96 U1_97 U1_98 U1_99 U1_100 U1_101 U1_102 U1_103 U1_104 U1_105 U1_106 U1_107 U1_108 U1_109 U1_110 U1_111 U1_112 U1_113 U1_114 U1_115 U1_116 U1_117 U1_118 U1_119 U1_120 U1_121 U1_122 U1_123 U1_124 U1_125 U1_126 U1_127 U1_128 U1_129 U1_130 U1_131 U1_132 U1_133 U1_134 U1_135 U1_136 U1_137 U1_138 U1_139 U1_140 U1_141 U1_142 U1_143 U1_144 U1_145 U1_146 U1_147 U1_148 U1_149 U1_150 U1_151 U1_152 U1_153 U1_154 U1_155 U1_156 U1_157 U1_158 U1_159 U1_160 U1_161 U1_162 U1_163 U1_164 U1_165 U1_166 U1_167 U1_168 U1_169 U1_170 U1_171 U1_172 U1_173 U1_174 U1_175 U1_176 U1_177 U1_178 U1_179 U1_180 U1_181 U1_182 U1_183 U1_184 U1_185 U1_186 U1_187 U1_188 U1_189 U1_190 U1_191 U1_192 U1_193 U1_194 U1_195 U1_196 U1_197 U1_198 U1_199 U1_200 U1_201 U1_202 U1_203 U1_204 U1_205 U1_206 U1_207 U1_208 U1_209 U1_210 U1_211 U1_212 U1_213 U1_214 U1_215 U1_216 U1_217 U1_218 U1_219 U1_220 U1_221 U1_222 U1_223 U1_224 U1_225 U1_226 U1_227 U1_228 U1_229 U1_230 U1_231 U1_232 U1_233 U1_234 U1_235 U1_236 U1_237 U1_238 U1_239 U1_240 U1_241 U1_242 U1_243 U1_244 U1_245 U1_246 U1_247 U1_248 U1_249 U1_250 U1_251 U1_252 U1_253 U1_254 U1_255 U1_256 U1_257 U1_258 U1_259 U1_260 U1_261 U1_262 U1_263 U1_264 U1_265 U1_266 U1_267 U1_268 U1_269 U1_270 U1_271 U1_272 U1_273 U1_274 U1_275 U1_276 U1_277 U1_278 U1_279 U1_280 U1_281 U1_282 U1_283 U1_284 U1_285 U1_286 U1_287 U1_288 U1_289 U1_290 U1_291 U1_292 U1_293 U1_294 U1_295 U1_296 U1_297 U1_298 U1_299 U2_1 U2_2 U2_3 U2_4 U2_5 U2_6 U2_7 U2_8 U2_9 U2_10 U2_11 U2_12 U2_13 U2_14 U2_15 U2_16 U2_17 U2_18 U2_19 U2_20 U2_21 U2_22 U2_23 U2_24 U2_25 U2_26 U2_27 U2_28 U2_29 U2_30 U2_31 U2_32 U2_33 U2_34 U2_35 U2_36 U2_37 U2_38 U2_39 U2_40 U2_41 U2_42 U2_43 U2_44 U2_45 U2_46 U2_47 U2_48 U2_49 U2_50 U2_51 U2_52 U2_53 U2_54 U2_55 U2_56 U2_57 U2_58 U2_59 U2_60 U2_61 U2_62 U2_63 U2_64 U2_65 U2_66 U2_67 U2_68 U2_69 U2_70 U2_71 U2_72 U2_73 U2_74 U2_75 U2_76 U2_77 U2_78 U2_79 U2_80 U2_81 U2_82 U2_83 U2_84 U2_85 U2_86 U2_87 U2_88 U2_89 U2_90 U2_91 U2_92 U2_93 U2_94 U2_95 U2_96 U2_97 U2_98 U2_99 U2_100 U2_101 U2_102 U2_103 U2_104 U2_105 U2_106 U2_107 U2_108 U2_109 U2_110 U2_111 U2_112 U2_113 U2_114 U2_115 U2_116 U2_117 U2_118 U2_119 U2_120 U2_121 U2_122 U2_123 U2_124 U2_125 U2_126 U2_127 U2_128 U2_129 U2_130 U2_131 U2_132 U2_133 U2_134 U2_135 U2_136 U2_137 U2_138 U2_139 U2_140 U2_141 U2_142 U2_143 U2_144 U2_145 U2_146 U2_147 U2_148 U2_149 U2_150 U2_151 U2_152 U2_153 U2_154 U2_155 U2_156 U2_157 U2_158 U2_159 U2_160 U2_161 U2_162 U2_163 U2_164 U2_165 U2_166 U2_167 U2_168 U2_169 U2_170 U2_171 U2_172 U2_173 U2_174 U2_175 U2_176 U2_177 U2_178 U2_179 U2_180 U2_181 U2_182 U2_183 U2_184 U2_185 U2_186 U2_187 U2_188 U2_189 U2_190 U2_191 U2_192 U2_193 U2_194 U2_195 U2_196 U2_197 U2_198 U2_199 U2_200 U2_201 U2_202 U2_203 U2_204 U2_205 U2_206 U2_207 U2_208 U2_209 U2_210 U2_211 U2_212 U2_213 U2_214 U2_215 U2_216 U2_217 U2_218 U2_219 U2_220 U2_221 U2_222 U2_223 U2_224 U2_225 U2_226 U2_227 U2_228 U2_229 U2_230 U2_231 U2_232 U2_233 U2_234 U2_235 U2_236 U2_237 U2_238 U2_239 U2_240 U2_241 U2_242 U2_243 U2_244 U2_245 U2_246 U2_247 U2_248 U2_249 U2_250 U2_251 U2_252 U2_253 U2_254 U2_255 U2_256 U2_257 U2_258 U2_259 U2_260 U2_261 U2_262 U2_263 U2_264 U2_265 U2_266 U2_267 U2_268 U2_269 U2_270 U2_271 U2_272 U2_273 U2_274 U2_275 U2_276 U2_277 U2_278 U2_279 U2_280 U2_281 U2_282 U2_283 U2_284 U2_285 U2_286 U2_287 U2_288 U2_289 U2_290 U2_291 U2_292 U2_293 U2_294 U2_295 U2_296 U2_297 U2_298 U2_299: library part HD107s-2020, "8-pin type LED three-color RGB Dimming control", Package="SMD-8 iPixel LED Light Co.", Availability=Unavailable, MF="iPixel LED Light Co.", MP=APA-102-2020-256-8, Price=None, SnapEDA_Link=https://www.snapeda.com/parts/APA-102-2020-256-8/iPixel%20LED%20Light%20Co./view-part/698331/?ref=snap